# Altium PCB OMD_60V_REF_2.PcbDoc (part 6 of 6)
Units mm, origin at the board's own origin, x right, y up, seen from the top; angles counter-clockwise.
Board outline 71.95 x 71.94 mm, 6 copper layers (Top Layer, L2, L3, L4, L5, Bottom Layer), stack 2.309 mm thick; 139 components, 113 nets, 809 pads, 9892 vias.
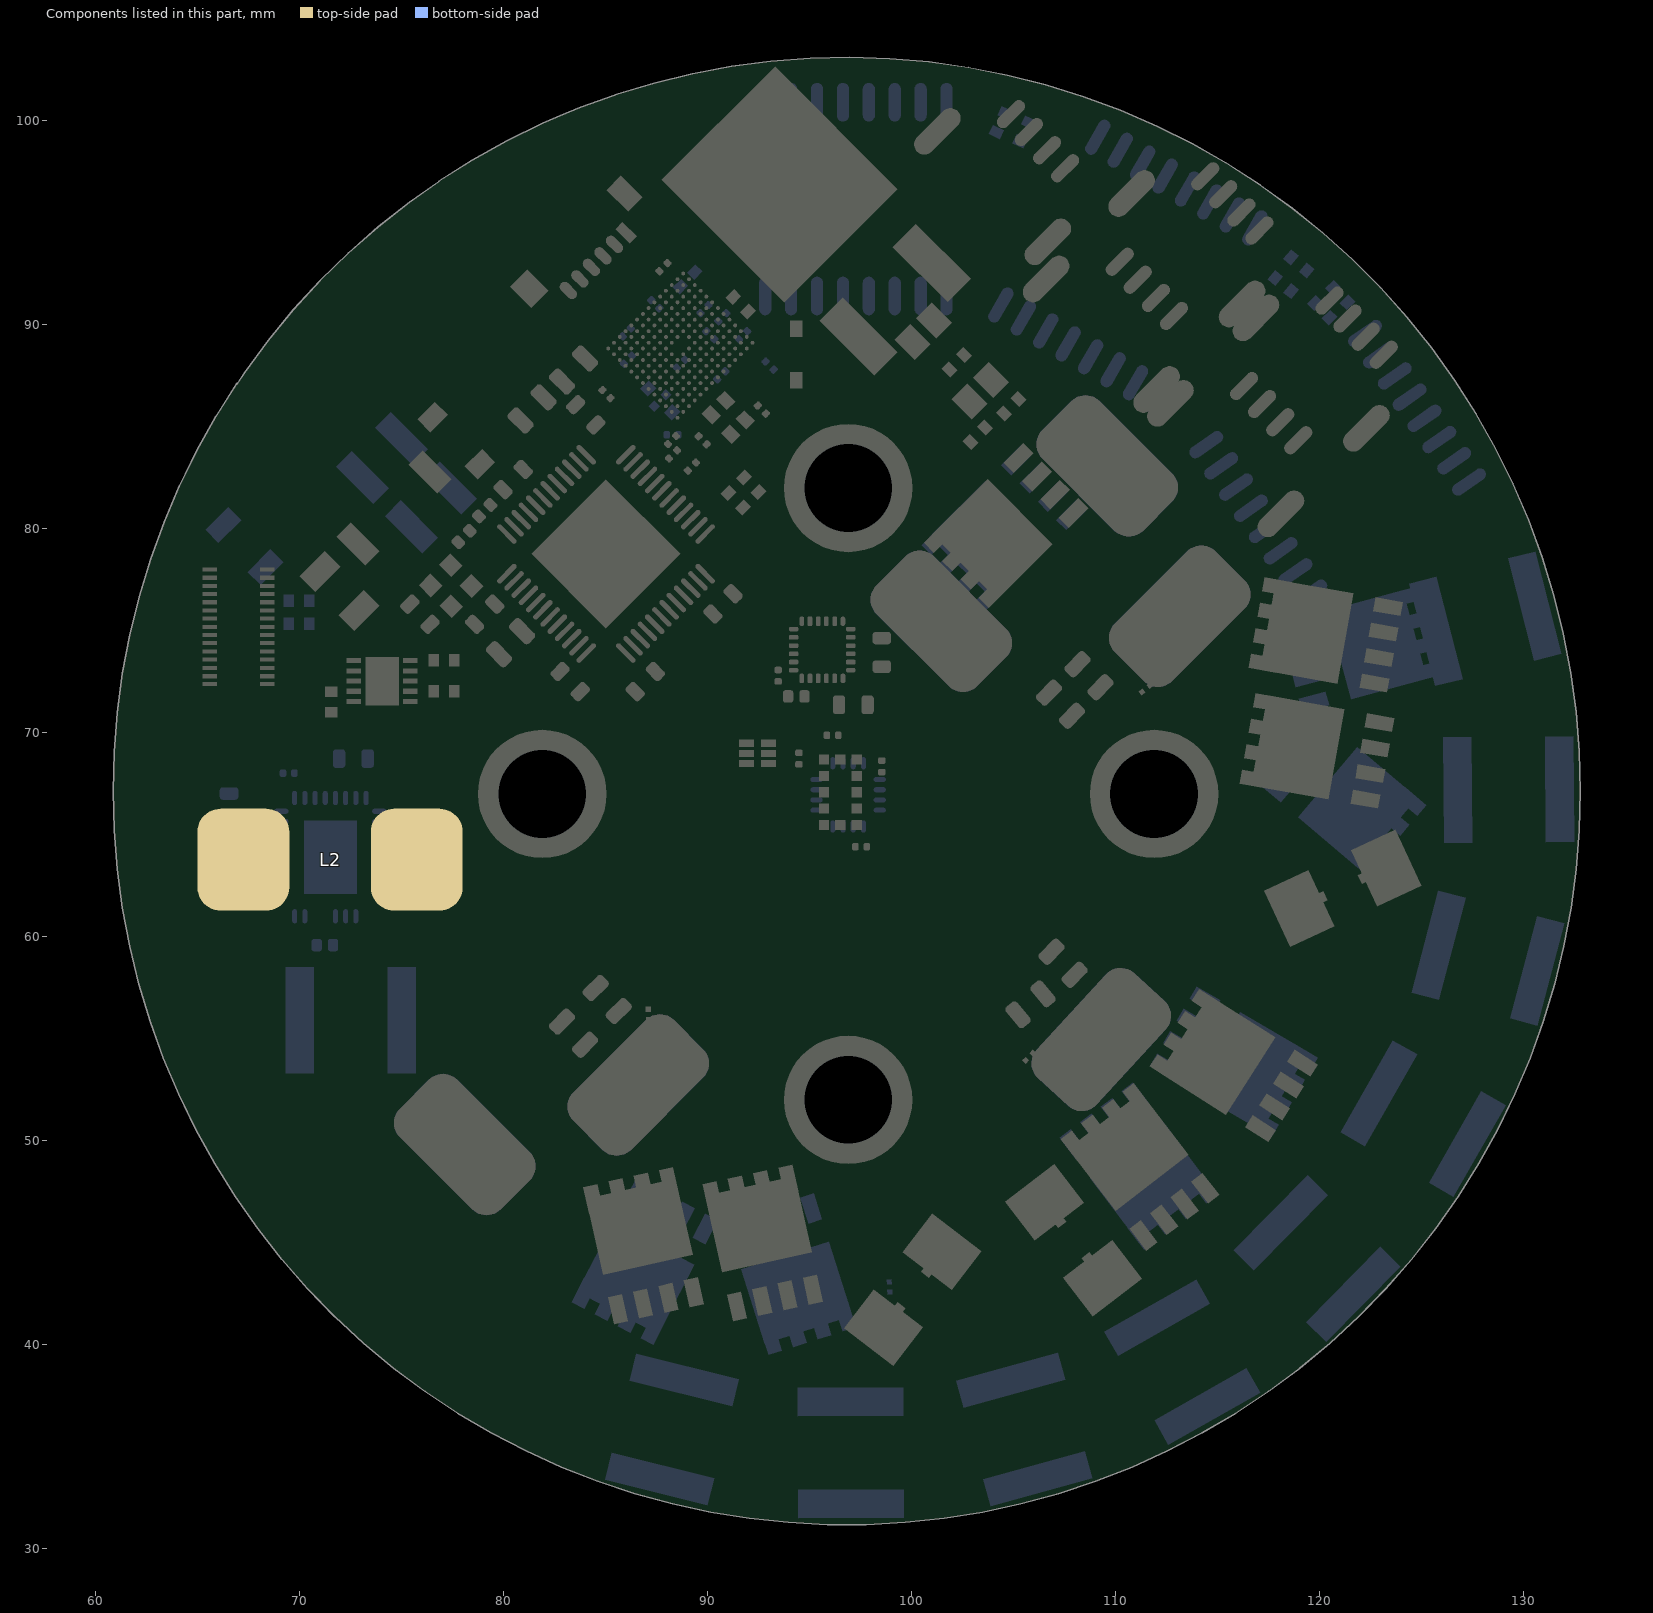
[diagram p10: the components of this part, seen from the top]

## Polygon pours and split planes (outlines as drawn) (continued)
3V3_MCU on Top Layer "3V3_MCU_L01_P012" (solid, remove dead copper, pour order 12): 69.938,77.818 69.938,77.564 70.827,76.675 71.97,76.675 72.986,77.691 73.24,77.691 74.637,76.294 75.653,77.31 75.653,77.437 72.605,80.485
NetQ2_A_S on Top Layer "NETQ2_A_S_L01_P014" (solid, remove dead copper, pour order 14): 84.63,42.557 95.365,43.422 100.484,40.708 100.484,37.391 85.968,37.095
NetQ2_C_S on Top Layer "NETQ2_C_S_L01_P016" (solid, remove dead copper, pour order 16): 122.713,61.393 121.289,66.498 122.218,75.489 126.649,74.948 126.526,61.945
NetC_1 on Top Layer "NETC_1_L01_P024" (solid, remove dead copper, pour order 24): 114.942,70.224 112.204,71.691 108.839,75.057 113.538,79.756 114.046,79.756 117.511,77.701 119.888,76.713 121.633,76.642 120.523,66.747 115.915,67.488
NetA_1 on Top Layer "NETA_1_L01_P026" (solid, remove dead copper, pour order 26): 83.185,51.308 83.185,51.181 84.087,47.944 84.63,43.496 89.277,44.154 90.907,43.586 95.282,44.609 94.361,48.387 92.059,51.603 88.138,56.134
NetB_1 on Top Layer "NETB_1_L01_P028" (solid, remove dead copper, pour order 28): 110.13,46.602 114.808,50.292 117.777,55.07 114.264,57.404 110.261,58.878 106.06,54.353 107.21,49.858
GND on Top Layer "GND_L01_P036" (solid, remove dead copper, pour order 36): 952 vertices, not listed, extent 60.833,31.128 132.833,103.115
5V_MCU on Top Layer "5V_MCU_L01_P044" (solid, remove dead copper, pour order 44): 65.786,78.105 65.786,76.327 66.929,76.327 67.056,76.2 67.31,76.2 67.31,77.724 66.294,77.724
3V3_MCU on L2 "3V3_MCU_L02_P040" (solid, remove dead copper, pour order 40): 108.589,87.101 119.86,76.713 120.523,77.978 111.252,87.645 104.701,92.374 91.453,91.431 96.032,87.101
3V3_MCU on L2 "VDD_3V3_L01_P002" (solid, remove dead copper, pour order 8): 87.312,97.095 99.39,85.017 81.572,67.199 69.494,79.277
GND on L2 "GND_L02_P042" (solid, remove dead copper, pour order 42): 50.165,106.68 50.165,38.1 67.691,20.574 137.795,20.574 154.178,36.957 154.178,107.188 134.112,127.254 66.929,127.254
Net-_1 on Bottom Layer "NET-_1_L06_P002" (solid, remove dead copper, pour order 2): 104.203,82.867 106.099,84.763 110.948,79.915 110.513,79.479 107.696,79.375
NetC_1 on Bottom Layer "NETC_1_L06_P022" (solid, remove dead copper, pour order 22): 115.608,68.288 114.265,69.977 112.949,71.293 110.109,73.787 115.062,78.74 116.823,77.008 119.588,74.426 121.031,69.977 119.048,67.692 118.048,66.359
NetA_1 on Bottom Layer "NETA_1_L06_P020" (solid, remove dead copper, pour order 20): 83.185,51.308 83.185,51.181 85.562,47.083 90.297,44.577 94.869,45.661 93.443,49.686 88.138,56.134
NetB_1 on Bottom Layer "NETB_1_L06_P018" (solid, remove dead copper, pour order 18): 108.271,48.853 109.037,49.276 113.289,52.69 114.989,55.572 110.261,58.905 106.192,53.828 107.411,50.266
MCU_BATT_IN on Bottom Layer "MCU_BATT_IN_L06_P030" (solid, remove dead copper, pour order 30): 84.719,46.24 82.287,51.891 87.631,57.236 99.314,45.86 99.314,42.164 109.982,42.164 111.379,43.561 110.109,44.831 109.734,45.646 106.807,49.657 105.803,54.61 110.535,60.187 121.378,54.439 124.841,56.769 124.841,61.976 110.035,63.502 79.067,64.194 72.716,57.236 73.66,51.689 82.677,42.672
GND on Bottom Layer "GND_L06_P032" (solid, remove dead copper, pour order 32): 71.014,61.699 73.144,61.699 73.144,66.167 78.053,66.167 78.862,64.897 93.091,64.897 93.091,70.104 104.052,70.104 114.212,80.264 114.554,80.264 118.237,76.581 123.003,79.883 117.496,87.101 114.554,89.571 106.3,94.477 102.072,95.885 92.583,95.885 80.645,107.823 60.198,87.376 60.198,60.546 62.353,52.239 71.015,52.239
Net5V_BUCK_24 on Bottom Layer "NET5V_BUCK_24_L06_P034" (solid, remove dead copper, pour order 34): 77.343,62.357 77.343,64.262 76.454,65.151 74.93,65.151 73.507,63.728 73.507,62.445 73.596,62.357
GND on L3 "GND_L03_P038" (solid, remove dead copper, pour order 38): 45.593,110.49 47.625,112.522 132.08,112.522 132.08,83.058 137.414,77.724 137.033,77.343 137.033,21.209 112.903,21.209 102.743,11.049 87.249,26.543 56.007,26.543

## Keep-outs
Keep-Out Layer:
  lines w0.05: 60.858,67.115 60.91,69.043 ; 60.858,67.115 60.858,67.116 60.858,67.115 ; 60.858,67.114 60.858,67.115 ; 60.858,67.114 60.858,67.115 ; 60.858,67.115 60.909,65.2 61.062,63.291 ; 60.91,69.043 61.065,70.965 ; 60.91,69.043 60.91,69.043 60.91,69.043 ; 60.91,69.042 60.91,69.043 ; 60.91,69.042 60.91,69.043 ; 61.062,63.292 61.062,63.291 ; 61.062,63.292 61.062,63.291 ; 61.062,63.291 61.062,63.29 61.062,63.291 ; 61.062,63.291 61.316,61.393 ; 61.065,70.965 61.323,72.876 ; 61.065,70.965 61.065,70.965 ; 61.065,70.965 61.065,70.965 ; 61.065,70.965 61.065,70.964 61.065,70.965 ; 61.316,61.393 61.316,61.392 61.316,61.393 ; 61.316,61.393 61.671,59.511 ; 61.323,72.876 61.682,74.77 ; 61.323,72.876 61.323,72.877 ; 61.323,72.876 61.323,72.877 ; 61.323,72.876 61.323,72.875 61.323,72.876 ; 61.671,59.511 61.671,59.51 61.671,59.511 ; 61.671,59.511 62.126,57.65 ; 61.682,74.77 62.143,76.643 ; 61.682,74.77 61.682,74.771 61.682,74.77 ; 61.682,74.77 61.682,74.77 ; 61.682,74.77 61.682,74.77 ; 62.126,57.65 62.126,57.649 62.126,57.65 ; 62.126,57.65 62.679,55.816 ; 62.143,76.643 62.703,78.488 ; 62.143,76.643 62.143,76.644 ; 62.143,76.643 62.143,76.644 ; 62.143,76.643 62.143,76.642 62.143,76.643 ; 62.679,55.817 62.679,55.816 ; 62.679,55.817 62.679,55.816 ; 62.679,55.816 63.329,54.015 ; 62.703,78.488 63.362,80.3 ; 62.703,78.488 62.704,78.489 ; 62.703,78.488 62.704,78.489 ; 62.703,78.488 62.703,78.487 62.703,78.488 ; 63.329,54.015 63.329,54.014 ; 63.329,54.015 63.329,54.014 ; 63.329,54.015 64.073,52.25 64.911,50.527 ; 63.362,80.3 64.117,82.075 ; 63.362,80.3 63.362,80.301 ; 63.362,80.3 63.362,80.301 ; 64.117,82.075 64.965,83.807 ; 64.117,82.075 64.117,82.076 64.117,82.075 ; 64.116,82.074 64.117,82.075 ; 64.116,82.074 64.117,82.075 ; 64.911,50.527 64.911,50.528 64.911,50.527 ; 64.911,50.527 64.911,50.527 ; 64.911,50.527 64.911,50.527 ; 64.911,50.527 65.839,48.852 ; 64.965,83.807 65.905,85.49 ; 64.965,83.807 64.965,83.807 64.965,83.807 ; 64.965,83.807 64.965,83.806 64.965,83.807 ; 65.839,48.852 65.839,48.853 65.839,48.852 ; 65.839,48.852 65.839,48.851 ; 65.839,48.852 65.839,48.851 ; 65.839,48.852 66.855,47.228 ; 65.905,85.49 66.922,87.101 ccw(c66.941,87.117) 66.962,87.103 67.317,87.645 ; 65.905,85.49 65.906,85.491 65.905,85.49 ; 66.855,47.228 66.855,47.228 66.855,47.228 ; 66.855,47.228 67.956,45.661 ; 67.317,87.645 68.468,89.21 ; 67.317,87.645 67.318,87.645 ; 67.317,87.645 67.318,87.645 ; 67.317,87.645 67.317,87.644 67.317,87.645 ; 67.956,45.661 67.956,45.66 67.956,45.661 ; 67.956,45.661 69.139,44.154 ; 68.468,89.21 69.701,90.711 ; 68.468,89.21 68.468,89.211 68.468,89.21 ; 68.468,89.21 68.468,89.21 68.468,89.21 ; 69.139,44.154 69.138,44.155 69.139,44.154 ; 69.139,44.154 70.4,42.713 ; 69.701,90.711 71.014,92.144 ; 69.701,90.711 69.702,90.712 69.701,90.711 ; 70.4,42.713 70.4,42.713 ; 70.4,42.713 70.4,42.713 ; 70.4,42.713 71.736,41.341 73.143,40.042 ; 71.014,92.144 72.402,93.503 ; 71.014,92.144 71.015,92.144 71.014,92.144 ; 71.014,92.144 71.014,92.143 71.014,92.144 ; 72.402,93.503 73.862,94.785 ; 72.402,93.503 72.403,93.504 72.402,93.503 ; 72.402,93.503 72.402,93.503 72.402,93.503 ; 73.143,40.042 73.144,40.041 73.143,40.042 ; 73.143,40.042 73.143,40.042 ; 73.143,40.042 73.143,40.042 ; 73.143,40.042 74.618,38.819 ; 73.862,94.785 75.388,95.987 ; 73.862,94.785 73.862,94.786 73.862,94.785 ; 73.862,94.785 73.861,94.785 73.862,94.785 ; 74.618,38.819 74.617,38.82 74.618,38.819 ; 74.618,38.819 76.155,37.677 ; 75.388,95.987 76.834,97.004 ccw(c76.82,97.025) 76.845,97.025 ccw(c76.82,97.025) 76.845,97.025 78.47,98.05 ; 75.388,95.987 75.389,95.988 75.388,95.987 ; 75.388,95.987 75.388,95.987 75.388,95.987 ; 76.155,37.677 76.156,37.676 ; 76.155,37.677 76.156,37.676 ; 76.155,37.677 76.155,37.677 76.155,37.677 ; 76.155,37.677 77.751,36.618 79.402,35.646 ; 78.47,98.05 80.167,98.996 ; 78.47,98.05 78.471,98.05 ; 78.47,98.05 78.471,98.05 ; 78.47,98.05 78.47,98.05 78.47,98.05 ; 79.402,35.646 79.401,35.646 79.402,35.646 ; 79.402,35.646 79.402,35.645 79.402,35.646 ; 79.402,35.646 81.101,34.763 ; 80.167,98.996 81.912,99.85 ; 80.167,98.996 80.168,98.997 ; 80.167,98.996 80.168,98.997 ; 80.167,98.996 80.166,98.996 80.167,98.996 ; 81.101,34.763 81.102,34.762 81.101,34.763 ; 81.101,34.763 82.845,33.971 ; 81.912,99.85 82.782,100.218 83.773,100.633 85.104,101.114 85.562,101.277 87.389,101.828 ; 81.912,99.85 81.913,99.85 81.912,99.85 ; 82.845,33.971 82.845,33.971 ; 82.845,33.971 82.845,33.971 ; 82.845,33.971 82.846,33.971 82.845,33.971 ; 82.845,33.971 84.629,33.274 ; 84.629,33.274 84.63,33.273 84.629,33.274 ; 84.629,33.274 86.447,32.672 ; 86.447,32.672 86.447,32.672 86.447,32.672 ; 86.447,32.672 88.295,32.168 ; 87.389,101.828 89.277,102.287 ; 87.389,101.828 87.39,101.828 87.389,101.828 ; 87.388,101.828 87.389,101.828 ; 87.388,101.828 87.389,101.828 ; 88.295,32.168 88.296,32.168 ; 88.295,32.168 88.296,32.168 ; 88.295,32.168 90.167,31.763 92.058,31.459 ; 89.277,102.287 91.187,102.644 ; 89.277,102.287 89.277,102.287 ; 89.277,102.287 89.277,102.287 ; 89.277,102.287 89.276,102.287 89.277,102.287 ; 91.187,102.644 93.113,102.897 ; 91.187,102.644 91.187,102.644 91.187,102.644 ; 91.186,102.644 91.187,102.644 ; 91.186,102.644 91.187,102.644 ; 92.058,31.459 92.059,31.459 ; 92.058,31.459 92.059,31.459 ; 92.058,31.459 92.058,31.459 92.058,31.459 ; 92.058,31.459 93.963,31.255 ; 93.113,102.897 95.05,103.045 ; 93.113,102.897 93.114,102.897 93.113,102.897 ; 93.112,102.897 93.113,102.897 ; 93.112,102.897 93.113,102.897 ; 93.962,31.255 93.963,31.255 ; 93.962,31.255 93.963,31.255 ; 93.963,31.255 95.875,31.153 ; 95.05,103.045 96.992,103.089 ; 95.05,103.045 95.051,103.045 ; 95.05,103.045 95.051,103.045 ; 95.05,103.045 95.049,103.045 95.05,103.045 ; 95.875,31.153 95.876,31.153 95.875,31.153 ; 95.875,31.153 97.791,31.153 99.703,31.255 ; 96.992,103.089 98.934,103.028 ; 96.992,103.089 96.993,103.089 96.992,103.089 ; 96.992,103.089 96.992,103.089 96.992,103.089 ; 98.934,103.028 100.87,102.862 ; 98.934,103.028 98.935,103.028 98.934,103.028 ; 98.934,103.028 98.934,103.028 98.934,103.028 ; 99.703,31.255 99.704,31.255 ; 99.703,31.255 99.704,31.255 ; 99.703,31.255 101.608,31.459 103.499,31.763 105.371,32.168 107.219,32.672 109.037,33.274 110.821,33.971 112.565,34.763 ; 100.87,102.862 102.794,102.592 ; 100.869,102.862 100.87,102.862 ; 100.869,102.862 100.87,102.862 ; 102.794,102.592 104.701,102.219 ; 102.794,102.592 102.795,102.592 102.794,102.592 ; 102.793,102.592 102.794,102.592 ; 102.793,102.592 102.794,102.592 ; 104.701,102.219 106.584,101.743 ; 104.7,102.219 104.701,102.219 ; 104.7,102.219 104.701,102.219 ; 104.701,102.219 104.701,102.219 104.701,102.219 ; 106.584,101.743 108.439,101.166 ; 106.584,101.743 106.584,101.743 106.584,101.743 ; 108.439,101.166 110.261,100.49 112.043,99.716 ; 108.439,101.166 108.44,101.166 108.439,101.166 ; 112.043,99.716 113.781,98.847 115.469,97.886 ; 112.043,99.716 112.044,99.716 112.043,99.716 ; 112.565,34.763 112.566,34.763 ; 112.565,34.763 112.566,34.763 ; 112.565,34.763 114.264,35.646 ; 114.264,35.646 114.265,35.646 114.264,35.646 ; 114.264,35.646 115.915,36.618 ; 115.469,97.886 117.103,96.835 ; 115.469,97.886 115.47,97.886 115.469,97.886 ; 115.915,36.618 115.915,36.618 115.915,36.618 ; 115.915,36.618 117.511,37.677 119.048,38.819 ; 117.103,96.835 118.678,95.697 ; 117.103,96.835 117.104,96.835 117.103,96.835 ; 117.103,96.836 117.103,96.835 ; 117.103,96.836 117.103,96.835 ; 118.678,95.697 120.189,94.476 ; 118.678,95.697 118.679,95.697 118.678,95.697 ; 119.048,38.819 119.049,38.82 119.048,38.819 ; 119.048,38.819 120.523,40.042 121.93,41.341 123.266,42.713 124.528,44.154 125.71,45.661 126.811,47.228 127.827,48.852 ; 120.189,94.476 121.633,93.176 ; 120.189,94.477 120.189,94.476 ; 120.189,94.477 120.189,94.476 ; 121.633,93.176 123.003,91.799 ; 121.633,93.176 121.632,93.176 121.633,93.176 ; 123.003,91.799 124.298,90.35 ; 123.003,91.799 123.003,91.799 ; 123.003,91.799 123.003,91.799 ; 124.298,90.35 125.512,88.833 ; 124.297,90.351 124.298,90.35 ; 124.297,90.351 124.298,90.35 ; 125.512,88.833 126.643,87.253 ; 125.512,88.833 125.512,88.833 125.512,88.833 ; 126.643,87.253 127.686,85.615 ; 126.643,87.253 126.643,87.253 ; 126.643,87.253 126.643,87.253 ; 127.686,85.615 128.64,83.922 129.501,82.18 ; 127.686,85.615 127.687,85.614 127.686,85.615 ; 127.827,48.852 127.827,48.853 127.827,48.852 ; 127.827,48.852 128.755,50.527 ; 128.755,50.527 128.755,50.528 128.755,50.527 ; 128.755,50.527 129.593,52.25 130.337,54.015 130.987,55.816 ; 129.501,82.18 130.267,80.395 130.935,78.57 ; 129.501,82.18 129.501,82.18 129.501,82.18 ; 130.935,78.57 131.504,76.713 ; 130.935,78.57 130.935,78.57 130.935,78.57 ; 130.987,55.816 130.987,55.817 ; 130.987,55.816 130.987,55.817 ; 130.987,55.816 131.54,57.65 131.995,59.511 132.35,61.393 132.604,63.291 132.757,65.2 132.808,67.115 132.755,69.057 ; 131.504,76.713 131.971,74.827 ; 131.504,76.713 131.504,76.713 ; 131.504,76.713 131.504,76.713 ; 131.971,74.827 132.336,72.919 ; 131.971,74.827 131.971,74.826 131.971,74.827 ; 131.971,74.828 131.971,74.827 ; 131.971,74.828 131.971,74.827 ; 132.336,72.919 132.598,70.994 ; 132.336,72.919 132.336,72.919 132.336,72.919 ; 132.336,72.919 132.336,72.918 ; 132.336,72.919 132.336,72.918 ; 132.598,70.994 132.755,69.057 ; 132.598,70.994 132.598,70.994 132.598,70.994 ; 132.755,69.057 132.755,69.056 132.755,69.057 ; 67.768,48.16 67.839,47.484 68.049,46.838 68.389,46.249 69.745,44.502 71.207,42.843 72.771,41.279 74.43,39.816 76.178,38.46 76.698,38.152 77.267,37.945 77.864,37.847 78.468,37.861 79.06,37.988 79.618,38.221 80.123,38.554 80.557,38.975 80.906,39.469 81.158,40.02 81.303,40.607 81.336,41.211 81.258,41.811 81.069,42.385 80.777,42.915 80.392,43.382 79.927,43.769 78.521,44.872 77.184,46.059 75.922,47.325 74.74,48.666 73.642,50.077 73.258,50.514 72.802,50.876 72.289,51.151 71.735,51.33 71.158,51.407 70.577,51.38 70.009,51.25 69.474,51.021 68.989,50.699 68.569,50.297 68.227,49.826 67.974,49.301 67.82,48.74 67.768,48.16

## Other copper
Top Layer:
  pour cut-out: 101.279,100.469 124.404,86.484 126.364,87.644 125.88,91.163 116.704,99.716 105.68,102.897 101.854,102.941
  pour cut-out: 94.083,75.302 94.265,75.12 94.265,72.796 97.179,72.796 97.179,75.41 97.158,75.432 94.212,75.432
  pour cut-out: 95.049,69.336 98.679,69.336 98.679,65.2 95.051,65.2

## Silkscreen, mask and mechanical layers (free items; w line width, h text height)
Top Overlay:
  text "Things to do... / L1-L3 change to L1-L2-L3 /  / Finalise / spaces between polygons / trace widths etc. /  / Verify each footprint." at 73.406,111.506 h1

## Text inside footprints (layer, text, board x,y; h text height)
U5: Top Overlay "X" at 95.956,73.516 h0.26; Top Overlay "Z" at 94.781,73.116 h0.26; Top Overlay "Y" at 94.881,74.666 h0.26